# KiCad board PIR Movement sensor board with easyC_panel.kicad_pcb
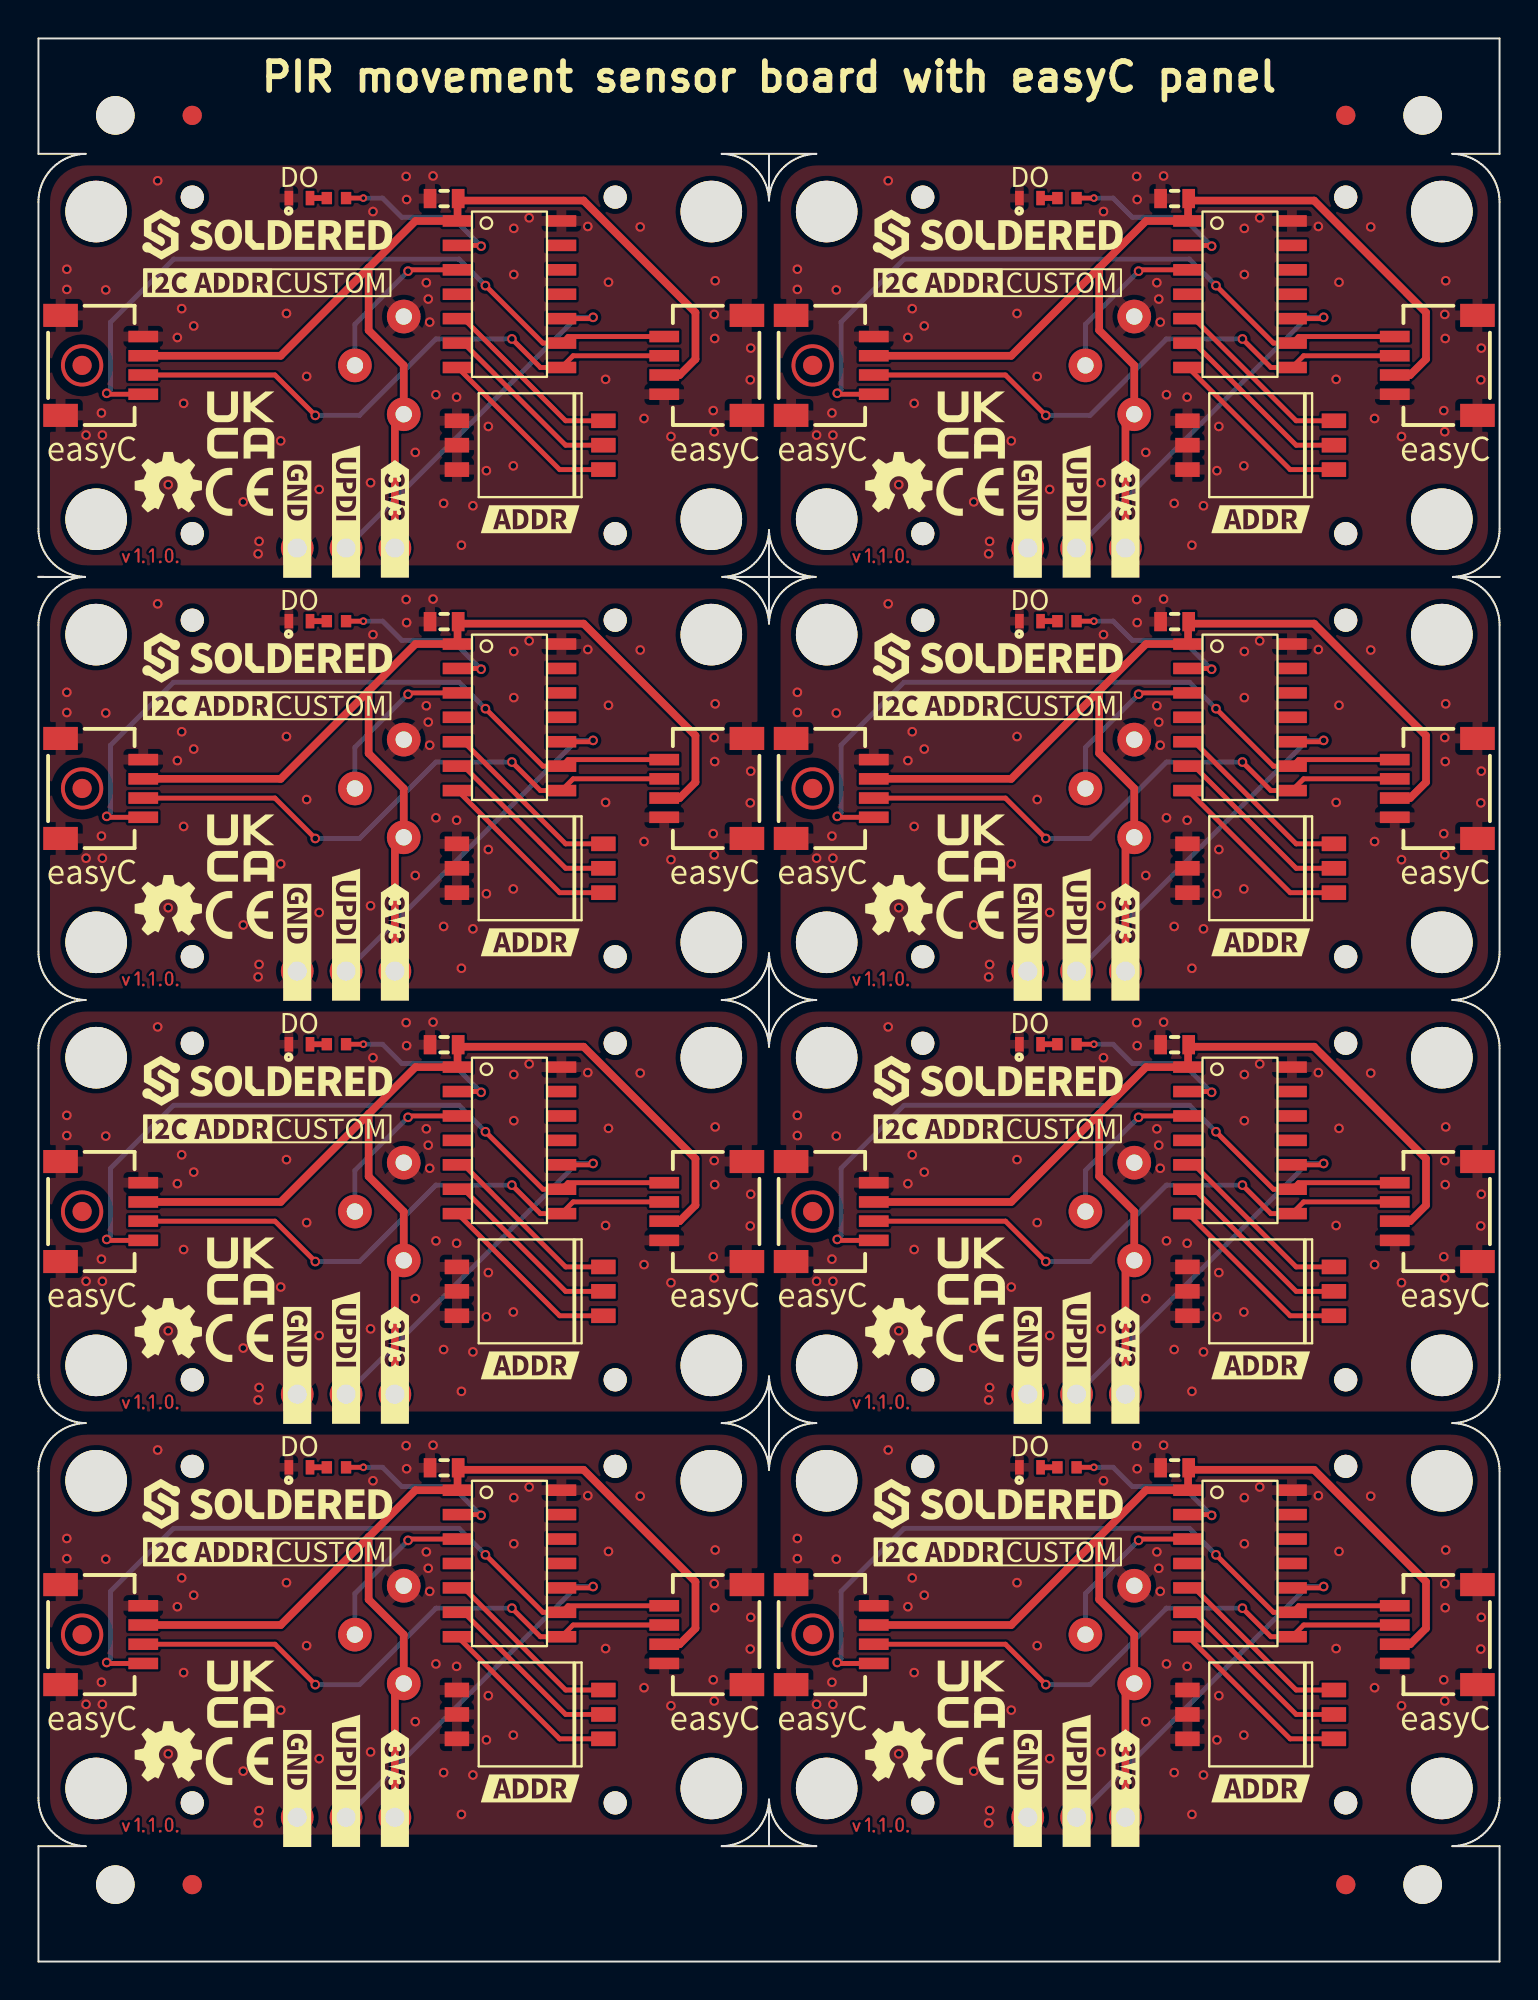
[diagram p0: board, top side]
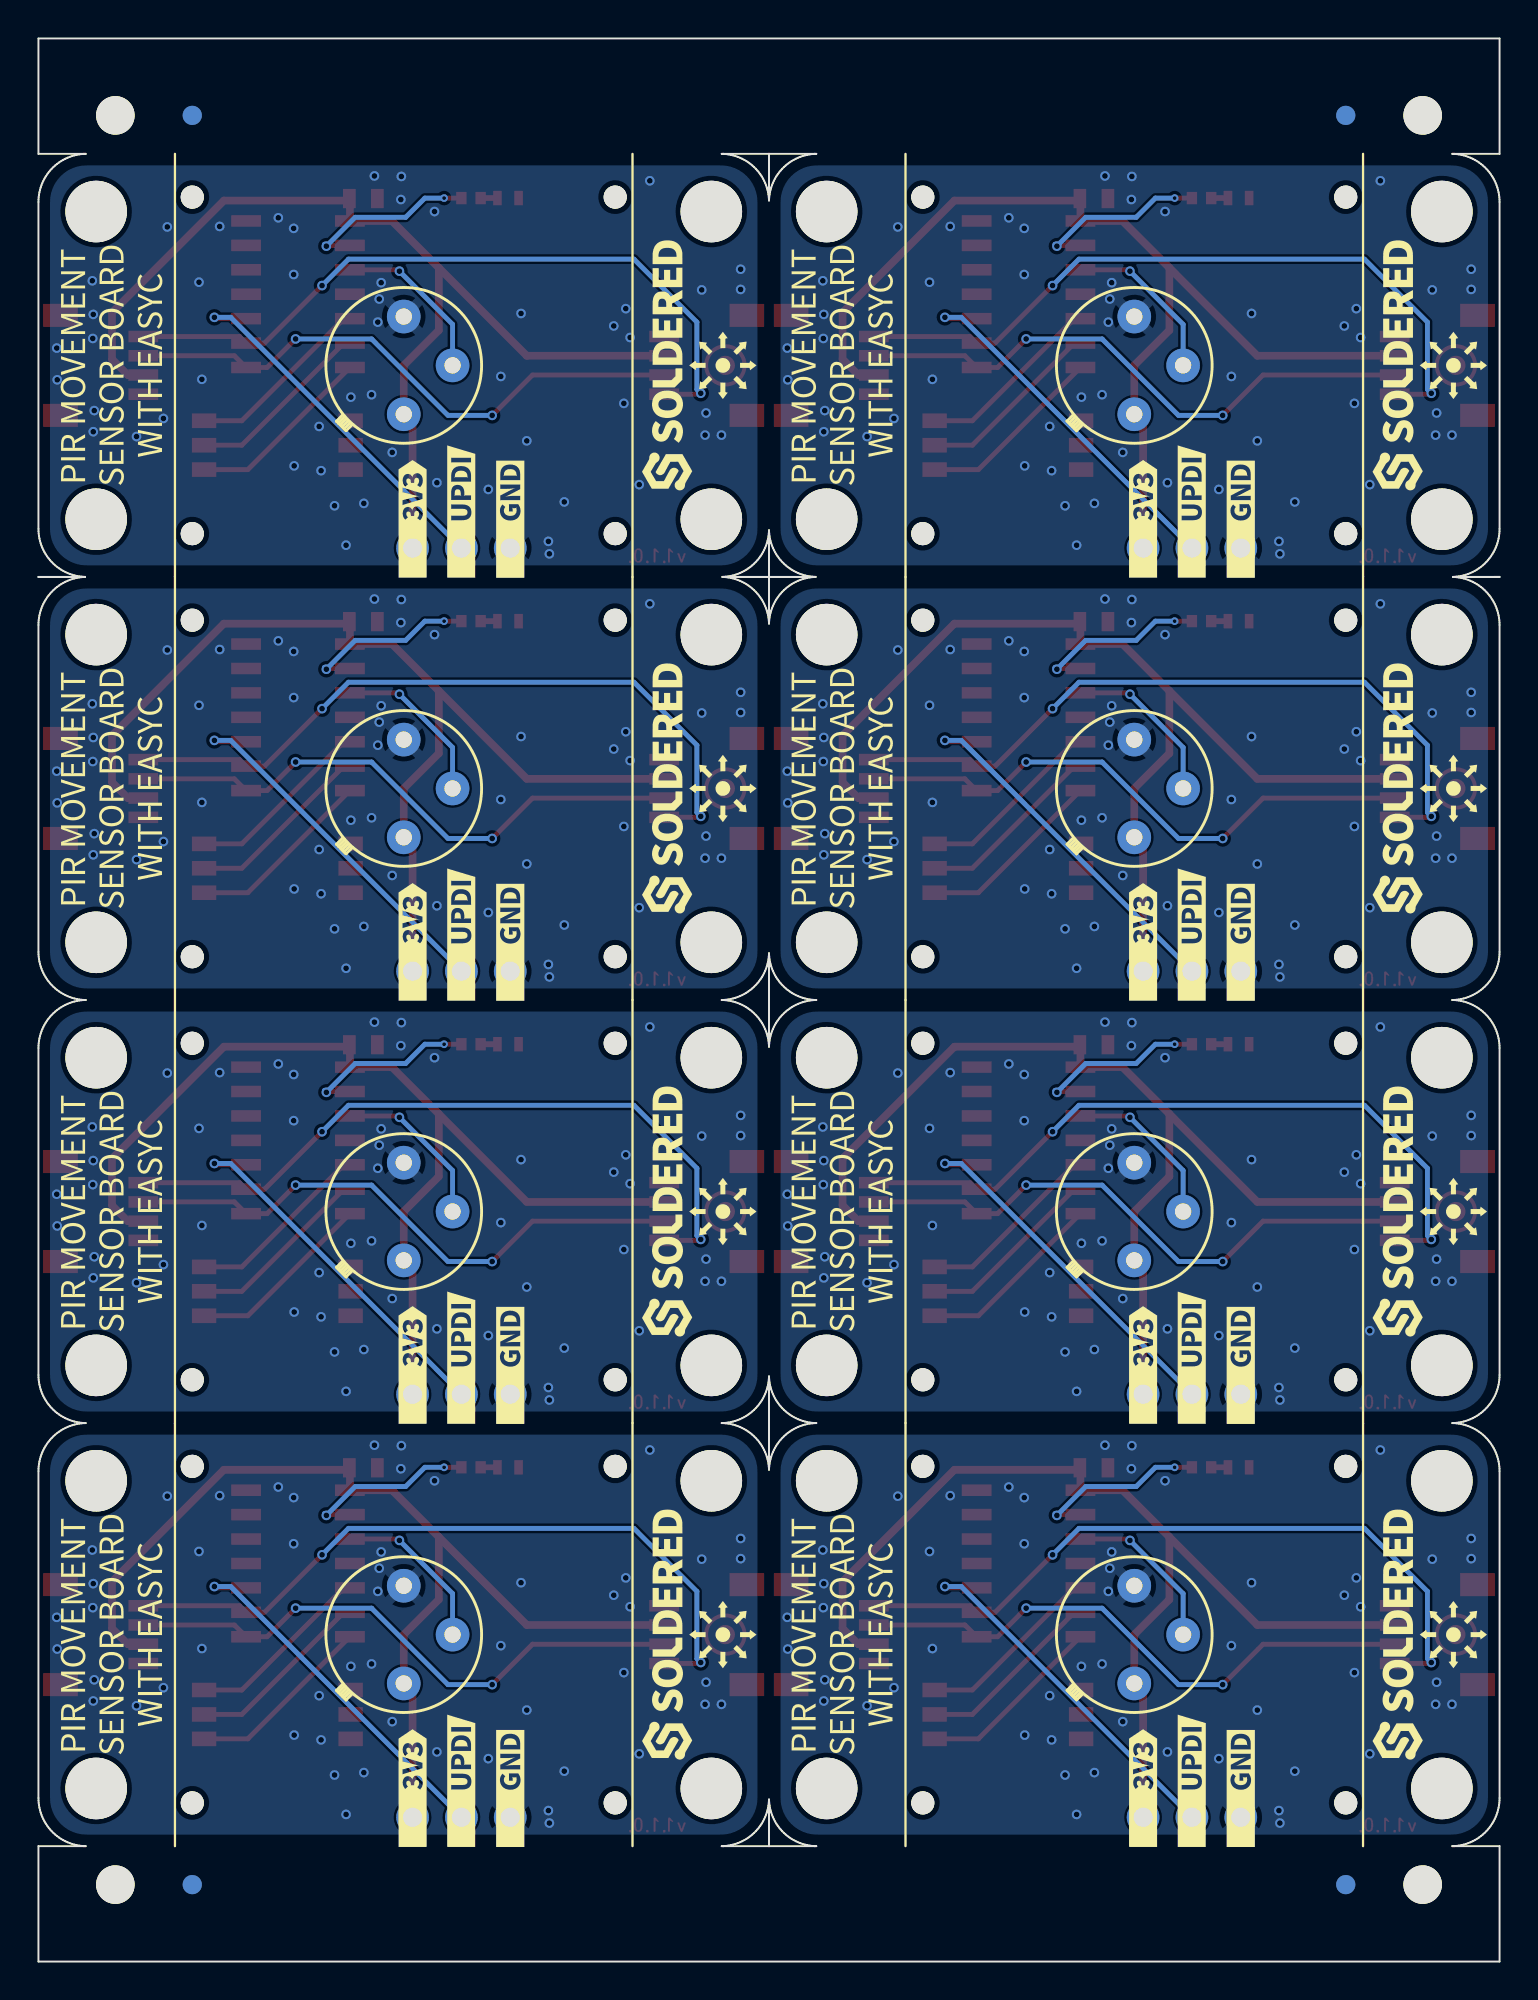
[diagram p1: board, bottom side, seen from below]

Outline 76 x 100 mm; copper layers: Top, Bottom. Coordinates in mm from the lower left corner of the outline.
Outline path: 0,100 0,94 2.46,94 2.37,94 2.25,93.99 2.12,93.97 2,93.95 1.87,93.92 1.75,93.89 1.63,93.85 1.51,93.8 1.4,93.75 1.29,93.69 1.18,93.62 1.07,93.55 0.97,93.48 0.87,93.4 0.78,93.31 0.69,93.22 0.6,93.13 0.52,93.03 0.45,92.93 0.38,92.82 0.31,92.71 0.26,92.6 0.2,92.49 0.16,92.37 0.11,92.25 0.08,92.13 0.05,92 0.03,91.88 0.01,91.75 0,91.63 0,91.5 0,74.5 0,74.37 0.01,74.25 0.03,74.12 0.05,74 0.08,73.87 0.11,73.75 0.16,73.63 0.2,73.51 0.26,73.4 0.31,73.29 0.38,73.18 0.45,73.07 0.52,72.97 0.6,72.87 0.69,72.78 0.78,72.69 0.87,72.6 0.97,72.52 1.07,72.45 1.18,72.38 1.29,72.31 1.4,72.25 1.51,72.2 1.63,72.15 1.75,72.11 1.87,72.08 2,72.05 2.12,72.03 2.25,72.01 2.37,72 2.42,72 0,72 0,72 2.42,72 2.37,72 2.25,71.99 2.12,71.97 2,71.95 1.87,71.92 1.75,71.89 1.63,71.85 1.51,71.8 1.4,71.75 1.29,71.69 1.18,71.62 1.07,71.55 0.97,71.48 0.87,71.4 0.78,71.31 0.69,71.22 0.6,71.13 0.52,71.03 0.45,70.93 0.38,70.82 0.31,70.71 0.26,70.6 0.2,70.49 0.16,70.37 0.11,70.25 0.08,70.13 0.05,70 0.03,69.88 0.01,69.75 0,69.63 0,69.5 0,52.5 0,52.37 0.01,52.25 0.03,52.12 0.05,52 0.08,51.87 0.11,51.75 0.16,51.63 0.2,51.51 0.26,51.4 0.31,51.29 0.38,51.18 0.45,51.07 0.52,50.97 0.6,50.87 0.69,50.78 0.78,50.69 0.87,50.6 0.97,50.52 1.07,50.45 1.18,50.38 1.29,50.31 1.4,50.25 1.51,50.2 1.63,50.15 1.75,50.11 1.87,50.08 2,50.05 2.12,50.03 2.25,50.01 2.37,50 2.46,50 2.37,50 2.25,49.99 2.12,49.97 2,49.95 1.87,49.92 1.75,49.89 1.63,49.85 1.51,49.8 1.4,49.75 1.29,49.69 1.18,49.62 1.07,49.55 0.97,49.48 0.87,49.4 0.78,49.31 0.69,49.22 0.6,49.13 0.52,49.03 0.45,48.93 0.38,48.82 0.31,48.71 0.26,48.6 0.2,48.49 0.16,48.37 0.11,48.25 0.08,48.13 0.05,48 0.03,47.88 0.01,47.75 0,47.63 0,47.5 0,30.5 0,30.37 0.01,30.25 0.03,30.12 0.05,30 0.08,29.87 0.11,29.75 0.16,29.63 0.2,29.51 0.26,29.4 0.31,29.29 0.38,29.18 0.45,29.07 0.52,28.97 0.6,28.87 0.69,28.78 0.78,28.69 0.87,28.6 0.97,28.52 1.07,28.45 1.18,28.38 1.29,28.31 1.4,28.25 1.51,28.2 1.63,28.15 1.75,28.11 1.87,28.08 2,28.05 2.12,28.03 2.25,28.01 2.37,28 2.46,28 2.37,28 2.25,27.99 2.12,27.97 2,27.95 1.87,27.92 1.75,27.89 1.63,27.85 1.51,27.8 1.4,27.75 1.29,27.69 1.18,27.62 1.07,27.55 0.97,27.48 0.87,27.4 0.78,27.31 0.69,27.22 0.6,27.13 0.52,27.03 0.45,26.93 0.38,26.82 0.31,26.71 0.26,26.6 0.2,26.49 0.16,26.37 0.11,26.25 0.08,26.13 0.05,26 0.03,25.88 0.01,25.75 0,25.63 0,25.5 0,8.5 0,8.37 0.01,8.25 0.03,8.12 0.05,8 0.08,7.87 0.11,7.75 0.16,7.63 0.2,7.51 0.26,7.4 0.31,7.29 0.38,7.18 0.45,7.07 0.52,6.97 0.6,6.87 0.69,6.78 0.78,6.69 0.87,6.6 0.97,6.52 1.07,6.45 1.18,6.38 1.29,6.31 1.4,6.25 1.51,6.2 1.63,6.15 1.75,6.11 1.87,6.08 2,6.05 2.12,6.03 2.25,6.01 2.37,6 2.46,6 0,6 0,0 76,0 76,6 73.54,6 73.63,6 73.75,6.01 73.88,6.03 74,6.05 74.13,6.08 74.25,6.11 74.37,6.15 74.49,6.2 74.6,6.25 74.71,6.31 74.82,6.38 74.93,6.45 75.03,6.52 75.13,6.6 75.22,6.69 75.31,6.78 75.4,6.87 75.48,6.97 75.55,7.07 75.62,7.18 75.69,7.29 75.75,7.4 75.8,7.51 75.85,7.63 75.89,7.75 75.92,7.87 75.95,8 75.97,8.12 75.99,8.25 76,8.37 76,8.5 76,25.5 76,25.63 75.99,25.75 75.97,25.88 75.95,26 75.92,26.13 75.89,26.25 75.85,26.37 75.8,26.49 75.75,26.6 75.69,26.71 75.62,26.82 75.55,26.93 75.48,27.03 75.4,27.13 75.31,27.22 75.22,27.31 75.13,27.4 75.03,27.48 74.93,27.55 74.82,27.62 74.71,27.69 74.6,27.75 74.49,27.8 74.37,27.85 74.25,27.89 74.13,27.92 74,27.95 73.88,27.97 73.75,27.99 73.63,28 73.54,28 73.63,28 73.75,28.01 73.88,28.03 74,28.05 74.13,28.08 74.25,28.11 74.37,28.15 74.49,28.2 74.6,28.25 74.71,28.31 74.82,28.38 74.93,28.45 75.03,28.52 75.13,28.6 75.22,28.69 75.31,28.78 75.4,28.87 75.48,28.97 75.55,29.07 75.62,29.18 75.69,29.29 75.75,29.4 75.8,29.51 75.85,29.63 75.89,29.75 75.92,29.87 75.95,30 75.97,30.12 75.99,30.25 76,30.37 76,30.5 76,47.5 76,47.63 75.99,47.75 75.97,47.88 75.95,48 75.92,48.13 75.89,48.25 75.85,48.37 75.8,48.49 75.75,48.6 75.69,48.71 75.62,48.82 75.55,48.93 75.48,49.03 75.4,49.13 75.31,49.22 75.22,49.31 75.13,49.4 75.03,49.48 74.93,49.55 74.82,49.62 74.71,49.69 74.6,49.75 74.49,49.8 74.37,49.85 74.25,49.89 74.13,49.92 74,49.95 73.88,49.97 73.75,49.99 73.63,50 73.54,50 73.63,50 73.75,50.01 73.88,50.03 74,50.05 74.13,50.08 74.25,50.11 74.37,50.15 74.49,50.2 74.6,50.25 74.71,50.31 74.82,50.38 74.93,50.45 75.03,50.52 75.13,50.6 75.22,50.69 75.31,50.78 75.4,50.87 75.48,50.97 75.55,51.07 75.62,51.18 75.69,51.29 75.75,51.4 75.8,51.51 75.85,51.63 75.89,51.75 75.92,51.87 75.95,52 75.97,52.12 75.99,52.25 76,52.37 76,52.5 76,69.5 76,69.63 75.99,69.75 75.97,69.88 75.95,70 75.92,70.13 75.89,70.25 75.85,70.37 75.8,70.49 75.75,70.6 75.69,70.71 75.62,70.82 75.55,70.93 75.48,71.03 75.4,71.13 75.31,71.22 75.22,71.31 75.13,71.4 75.03,71.48 74.93,71.55 74.82,71.62 74.71,71.69 74.6,71.75 74.49,71.8 74.37,71.85 74.25,71.89 74.13,71.92 74,71.95 73.88,71.97 73.75,71.99 73.63,72 73.58,72 76,72 73.58,72 73.63,72 73.75,72.01 73.88,72.03 74,72.05 74.13,72.08 74.25,72.11 74.37,72.15 74.49,72.2 74.6,72.25 74.71,72.31 74.82,72.38 74.93,72.45 75.03,72.52 75.13,72.6 75.22,72.69 75.31,72.78 75.4,72.87 75.48,72.97 75.55,73.07 75.62,73.18 75.69,73.29 75.75,73.4 75.8,73.51 75.85,73.63 75.89,73.75 75.92,73.87 75.95,74 75.97,74.12 75.99,74.25 76,74.37 76,74.5 76,91.5 76,91.63 75.99,91.75 75.97,91.88 75.95,92 75.92,92.13 75.89,92.25 75.85,92.37 75.8,92.49 75.75,92.6 75.69,92.71 75.62,92.82 75.55,92.93 75.48,93.03 75.4,93.13 75.31,93.22 75.22,93.31 75.13,93.4 75.03,93.48 74.93,93.55 74.82,93.62 74.71,93.69 74.6,93.75 74.49,93.8 74.37,93.85 74.25,93.89 74.13,93.92 74,93.95 73.88,93.97 73.75,93.99 73.63,94 73.54,94 76,94 76,100 0,100 ; 35.54,94 40.46,94 40.37,94 40.25,93.99 40.12,93.97 40,93.95 39.87,93.92 39.75,93.89 39.63,93.85 39.51,93.8 39.4,93.75 39.29,93.69 39.18,93.62 39.07,93.55 38.97,93.48 38.87,93.4 38.78,93.31 38.69,93.22 38.6,93.13 38.52,93.03 38.45,92.93 38.38,92.82 38.31,92.71 38.26,92.6 38.2,92.49 38.16,92.37 38.11,92.25 38.08,92.13 38.05,92 38.03,91.88 38.01,91.75 38,91.63 38,91.58 38,94 38,91.58 38,91.63 37.99,91.75 37.97,91.88 37.95,92 37.92,92.13 37.89,92.25 37.85,92.37 37.8,92.49 37.75,92.6 37.69,92.71 37.62,92.82 37.55,92.93 37.48,93.03 37.4,93.13 37.31,93.22 37.22,93.31 37.13,93.4 37.03,93.48 36.93,93.55 36.82,93.62 36.71,93.69 36.6,93.75 36.49,93.8 36.37,93.85 36.25,93.89 36.13,93.92 36,93.95 35.88,93.97 35.75,93.99 35.63,94 35.54,94 ; 35.54,6 35.63,6 35.75,6.01 35.88,6.03 36,6.05 36.13,6.08 36.25,6.11 36.37,6.15 36.49,6.2 36.6,6.25 36.71,6.31 36.82,6.38 36.93,6.45 37.03,6.52 37.13,6.6 37.22,6.69 37.31,6.78 37.4,6.87 37.48,6.97 37.55,7.07 37.62,7.18 37.69,7.29 37.75,7.4 37.8,7.51 37.85,7.63 37.89,7.75 37.92,7.87 37.95,8 37.97,8.12 37.99,8.25 38,8.37 38,8.42 38,6 38,8.42 38,8.37 38.01,8.25 38.03,8.12 38.05,8 38.08,7.87 38.11,7.75 38.16,7.63 38.2,7.51 38.26,7.4 38.31,7.29 38.38,7.18 38.45,7.07 38.52,6.97 38.6,6.87 38.69,6.78 38.78,6.69 38.87,6.6 38.97,6.52 39.07,6.45 39.18,6.38 39.29,6.31 39.4,6.25 39.51,6.2 39.63,6.15 39.75,6.11 39.87,6.08 40,6.05 40.12,6.03 40.25,6.01 40.37,6 40.46,6 35.54,6 ; 35.54,50 35.63,50 35.75,50.01 35.88,50.03 36,50.05 36.13,50.08 36.25,50.11 36.37,50.15 36.49,50.2 36.6,50.25 36.71,50.31 36.82,50.38 36.93,50.45 37.03,50.52 37.13,50.6 37.22,50.69 37.31,50.78 37.4,50.87 37.48,50.97 37.55,51.07 37.62,51.18 37.69,51.29 37.75,51.4 37.8,51.51 37.85,51.63 37.89,51.75 37.92,51.87 37.95,52 37.97,52.12 37.99,52.25 38,52.37 38,52.42 38,50 38,47.58 38,47.63 37.99,47.75 37.97,47.88 37.95,48 37.92,48.13 37.89,48.25 37.85,48.37 37.8,48.49 37.75,48.6 37.69,48.71 37.62,48.82 37.55,48.93 37.48,49.03 37.4,49.13 37.31,49.22 37.22,49.31 37.13,49.4 37.03,49.48 36.93,49.55 36.82,49.62 36.71,49.69 36.6,49.75 36.49,49.8 36.37,49.85 36.25,49.89 36.13,49.92 36,49.95 35.88,49.97 35.75,49.99 35.63,50 35.54,50 ; 35.54,28 35.63,28 35.75,28.01 35.88,28.03 36,28.05 36.13,28.08 36.25,28.11 36.37,28.15 36.49,28.2 36.6,28.25 36.71,28.31 36.82,28.38 36.93,28.45 37.03,28.52 37.13,28.6 37.22,28.69 37.31,28.78 37.4,28.87 37.48,28.97 37.55,29.07 37.62,29.18 37.69,29.29 37.75,29.4 37.8,29.51 37.85,29.63 37.89,29.75 37.92,29.87 37.95,30 37.97,30.12 37.99,30.25 38,30.37 38,30.42 38,28 38,25.58 38,25.63 37.99,25.75 37.97,25.88 37.95,26 37.92,26.13 37.89,26.25 37.85,26.37 37.8,26.49 37.75,26.6 37.69,26.71 37.62,26.82 37.55,26.93 37.48,27.03 37.4,27.13 37.31,27.22 37.22,27.31 37.13,27.4 37.03,27.48 36.93,27.55 36.82,27.62 36.71,27.69 36.6,27.75 36.49,27.8 36.37,27.85 36.25,27.89 36.13,27.92 36,27.95 35.88,27.97 35.75,27.99 35.63,28 35.54,28 ; 35.58,72 35.63,72 35.75,72.01 35.88,72.03 36,72.05 36.13,72.08 36.25,72.11 36.37,72.15 36.49,72.2 36.6,72.25 36.71,72.31 36.82,72.38 36.93,72.45 37.03,72.52 37.13,72.6 37.22,72.69 37.31,72.78 37.4,72.87 37.48,72.97 37.55,73.07 37.62,73.18 37.69,73.29 37.75,73.4 37.8,73.51 37.85,73.63 37.89,73.75 37.92,73.87 37.95,74 37.97,74.12 37.99,74.25 38,74.37 38,74.42 38,72 35.58,72 ; 35.58,72 38,72 38,69.58 38,69.63 37.99,69.75 37.97,69.88 37.95,70 37.92,70.13 37.89,70.25 37.85,70.37 37.8,70.49 37.75,70.6 37.69,70.71 37.62,70.82 37.55,70.93 37.48,71.03 37.4,71.13 37.31,71.22 37.22,71.31 37.13,71.4 37.03,71.48 36.93,71.55 36.82,71.62 36.71,71.69 36.6,71.75 36.49,71.8 36.37,71.85 36.25,71.89 36.13,71.92 36,71.95 35.88,71.97 35.75,71.99 35.63,72 35.58,72 ; 38,74.42 38,74.37 38.01,74.25 38.03,74.12 38.05,74 38.08,73.87 38.11,73.75 38.16,73.63 38.2,73.51 38.26,73.4 38.31,73.29 38.38,73.18 38.45,73.07 38.52,72.97 38.6,72.87 38.69,72.78 38.78,72.69 38.87,72.6 38.97,72.52 39.07,72.45 39.18,72.38 39.29,72.31 39.4,72.25 39.51,72.2 39.63,72.15 39.75,72.11 39.87,72.08 40,72.05 40.12,72.03 40.25,72.01 40.37,72 40.42,72 38,72 38,74.42 ; 38,69.58 38,72 40.42,72 40.37,72 40.25,71.99 40.12,71.97 40,71.95 39.87,71.92 39.75,71.89 39.63,71.85 39.51,71.8 39.4,71.75 39.29,71.69 39.18,71.62 39.07,71.55 38.97,71.48 38.87,71.4 38.78,71.31 38.69,71.22 38.6,71.13 38.52,71.03 38.45,70.93 38.38,70.82 38.31,70.71 38.26,70.6 38.2,70.49 38.16,70.37 38.11,70.25 38.08,70.13 38.05,70 38.03,69.88 38.01,69.75 38,69.63 38,69.58 ; 38,52.42 38,52.37 38.01,52.25 38.03,52.12 38.05,52 38.08,51.87 38.11,51.75 38.16,51.63 38.2,51.51 38.26,51.4 38.31,51.29 38.38,51.18 38.45,51.07 38.52,50.97 38.6,50.87 38.69,50.78 38.78,50.69 38.87,50.6 38.97,50.52 39.07,50.45 39.18,50.38 39.29,50.31 39.4,50.25 39.51,50.2 39.63,50.15 39.75,50.11 39.87,50.08 40,50.05 40.12,50.03 40.25,50.01 40.37,50 40.46,50 40.37,50 40.25,49.99 40.12,49.97 40,49.95 39.87,49.92 39.75,49.89 39.63,49.85 39.51,49.8 39.4,49.75 39.29,49.69 39.18,49.62 39.07,49.55 38.97,49.48 38.87,49.4 38.78,49.31 38.69,49.22 38.6,49.13 38.52,49.03 38.45,48.93 38.38,48.82 38.31,48.71 38.26,48.6 38.2,48.49 38.16,48.37 38.11,48.25 38.08,48.13 38.05,48 38.03,47.88 38.01,47.75 38,47.63 38,47.58 38,50 38,52.42 ; 38,30.42 38,30.37 38.01,30.25 38.03,30.12 38.05,30 38.08,29.87 38.11,29.75 38.16,29.63 38.2,29.51 38.26,29.4 38.31,29.29 38.38,29.18 38.45,29.07 38.52,28.97 38.6,28.87 38.69,28.78 38.78,28.69 38.87,28.6 38.97,28.52 39.07,28.45 39.18,28.38 39.29,28.31 39.4,28.25 39.51,28.2 39.63,28.15 39.75,28.11 39.87,28.08 40,28.05 40.12,28.03 40.25,28.01 40.37,28 40.46,28 40.37,28 40.25,27.99 40.12,27.97 40,27.95 39.87,27.92 39.75,27.89 39.63,27.85 39.51,27.8 39.4,27.75 39.29,27.69 39.18,27.62 39.07,27.55 38.97,27.48 38.87,27.4 38.78,27.31 38.69,27.22 38.6,27.13 38.52,27.03 38.45,26.93 38.38,26.82 38.31,26.71 38.26,26.6 38.2,26.49 38.16,26.37 38.11,26.25 38.08,26.13 38.05,26 38.03,25.88 38.01,25.75 38,25.63 38,25.58 38,28 38,30.42
Stack: Top 0.035mm / dielectric 1.51mm FR4 er 4.5 / Bottom 0.035mm

## Placement (name value [footprint] x y rotation side)
C3  100n  [0603C]  59.1 69.68 180 top
C3#2  100n  [0603C]  59.1 47.68 180 top
C3#3  100n  [0603C]  21.1 47.68 180 top
C3#4  100n  [0603C]  21.1 69.68 180 top
C3#5  100n  [0603C]  59.1 25.67 180 top
C3#6  100n  [0603C]  21.1 25.67 180 top
C3#7  100n  [0603C]  21.1 91.68 180 top
C3#8  100n  [0603C]  59.1 91.68 180 top
D1  Purple  [0402LED]  51.58 47.7 0 top
D1#2  Purple  [0402LED]  51.58 25.7 0 top
D1#3  Purple  [0402LED]  13.58 25.7 0 top
D1#4  Purple  [0402LED]  13.58 91.7 0 top
D1#5  Purple  [0402LED]  13.58 69.7 0 top
D1#6  Purple  [0402LED]  51.58 69.7 0 top
D1#7  Purple  [0402LED]  13.58 47.7 0 top
D1#8  Purple  [0402LED]  51.58 91.7 0 top
FD1  FIDUCIAL  [FIDUCIAL_23]  2.27 83 0 top
FD1#2  FIDUCIAL  [FIDUCIAL_23]  2.27 39 0 top
FD1#3  FIDUCIAL  [FIDUCIAL_23]  40.27 61 0 top
FD1#4  FIDUCIAL  [FIDUCIAL_23]  40.27 39 0 top
FD1#5  FIDUCIAL  [FIDUCIAL_23]  2.27 61 0 top
FD1#6  FIDUCIAL  [FIDUCIAL_23]  2.27 17 0 top
FD1#7  FIDUCIAL  [FIDUCIAL_23]  40.27 83 0 top
FD1#8  FIDUCIAL  [FIDUCIAL_23]  40.27 17 0 top
G***  LOGO  [Logo-Front-easyC-NewFont]  2.8 78.5 0 top
G***#2  LOGO  [Logo-Front-easyC-NewFont]  73.2 78.5 0 top
G***#3  LOGO  [Logo-Front-easyC-NewFont]  35.2 12.5 0 top
G***#4  LOGO  [Logo-Front-easyC-NewFont]  2.8 34.5 0 top
G***#5  LOGO  [Logo-Front-easyC-NewFont]  73.2 12.5 0 top
G***#6  LOGO  [Logo-Front-easyC-NewFont]  40.8 34.5 0 top
G***#7  LOGO  [Logo-Front-easyC-NewFont]  73.2 56.5 0 top
G***#8  LOGO  [Logo-Front-easyC-NewFont]  40.8 12.5 0 top
G***#9  LOGO  [Logo-Front-easyC-NewFont]  73.2 34.5 0 top
G***#10  LOGO  [Logo-Front-easyC-NewFont]  35.2 34.5 0 top
G***#11  LOGO  [Logo-Front-easyC-NewFont]  2.8 56.5 0 top
G***#12  LOGO  [Logo-Front-easyC-NewFont]  35.2 56.5 0 top
G***#13  LOGO  [Logo-Front-easyC-NewFont]  35.2 78.5 0 top
G***#14  LOGO  [Logo-Front-easyC-NewFont]  40.8 56.5 0 top
G***#15  LOGO  [Logo-Front-easyC-NewFont]  2.8 12.5 0 top
G***#16  LOGO  [Logo-Front-easyC-NewFont]  40.8 78.5 0 top
G***#17  LOGO  [Symbol-Front-Movement]  40.4 61 180 bottom
G***#18  LOGO  [Symbol-Front-Movement]  40.4 83 180 bottom
G***#19  LOGO  [Symbol-Front-Movement]  2.4 17 180 bottom
G***#20  LOGO  [Logo-Back-OSH-3.5mm]  6.75 54.93 180 bottom
G***#21  LOGO  [Symbol-Front-Movement]  40.4 17 180 bottom
G***#22  LOGO  [Logo-Back-OSH-3.5mm]  6.75 32.93 180 bottom
G***#23  LOGO  [Symbol-Front-Movement]  40.4 39 180 bottom
G***#24  LOGO  [Logo-Back-OSH-3.5mm]  44.75 32.93 180 bottom
G***#25  LOGO  [Symbol-Front-Movement]  2.4 39 180 bottom
G***#26  LOGO  [Logo-Back-OSH-3.5mm]  44.75 76.93 180 bottom
G***#27  LOGO  [Logo-Back-OSH-3.5mm]  6.75 76.93 180 bottom
G***#28  LOGO  [Symbol-Front-Movement]  2.4 61 180 bottom
G***#29  LOGO  [Logo-Back-OSH-3.5mm]  44.75 54.93 180 bottom
G***#30  LOGO  [Logo-Back-OSH-3.5mm]  6.75 10.92 180 bottom
G***#31  LOGO  [Logo-Back-OSH-3.5mm]  44.75 10.92 180 bottom
G***#32  LOGO  [Symbol-Front-Movement]  2.4 83 180 bottom
H1  -  [HOLE_3.2mm]  41 31 0 top
H1#2  -  [HOLE_3.2mm]  3 53 0 top
H1#3  -  [HOLE_3.2mm]  41 9 0 top
H1#4  -  [HOLE_3.2mm]  41 53 0 top
H1#5  -  [HOLE_3.2mm]  3 9 0 top
H1#6  -  [HOLE_3.2mm]  41 75 0 top
H1#7  -  [HOLE_3.2mm]  3 31 0 top
H1#8  -  [HOLE_3.2mm]  3 75 0 top
H2  -  [HOLE_3.2mm]  35 75 0 top
H2#2  -  [HOLE_3.2mm]  73 53 0 top
H2#3  -  [HOLE_3.2mm]  73 9 0 top
H2#4  -  [HOLE_3.2mm]  73 75 0 top
H2#5  -  [HOLE_3.2mm]  35 31 0 top
H2#6  -  [HOLE_3.2mm]  35 9 0 top
H2#7  -  [HOLE_3.2mm]  73 31 0 top
H2#8  -  [HOLE_3.2mm]  35 53 0 top
H3  -  [HOLE_3.2mm]  35 47 0 top
H3#2  -  [HOLE_3.2mm]  73 25 0 top
H3#3  -  [HOLE_3.2mm]  73 69 0 top
H3#4  -  [HOLE_3.2mm]  73 91 0 top
H3#5  -  [HOLE_3.2mm]  73 47 0 top
H3#6  -  [HOLE_3.2mm]  35 25 0 top
H3#7  -  [HOLE_3.2mm]  35 69 0 top
H3#8  -  [HOLE_3.2mm]  35 91 0 top
H4  -  [HOLE_3.2mm]  41 69 0 top
H4#2  -  [HOLE_3.2mm]  3 91 0 top
H4#3  -  [HOLE_3.2mm]  3 25 0 top
H4#4  -  [HOLE_3.2mm]  3 47 0 top
H4#5  -  [HOLE_3.2mm]  41 25 0 top
H4#6  -  [HOLE_3.2mm]  41 47 0 top
H4#7  -  [HOLE_3.2mm]  3 69 0 top
H4#8  -  [HOLE_3.2mm]  41 91 0 top
K1  easyC-SMD  [easyC-connector]  34.7 17 270 top
K1#2  easyC-SMD  [easyC-connector]  34.7 39 270 top
K1#3  easyC-SMD  [easyC-connector]  34.7 83 270 top
K1#4  easyC-SMD  [easyC-connector]  34.7 61 270 top
K1#5  easyC-SMD  [easyC-connector]  72.7 83 270 top
K1#6  easyC-SMD  [easyC-connector]  72.7 61 270 top
K1#7  easyC-SMD  [easyC-connector]  72.7 17 270 top
K1#8  easyC-SMD  [easyC-connector]  72.7 39 270 top
K2  -  [HEADER-UPDI]  54 73.5 180 top
K2#2  -  [HEADER-UPDI]  16 73.5 180 top
K2#3  -  [HEADER-UPDI]  16 51.5 180 top
K2#4  -  [HEADER-UPDI]  16 29.5 180 top
K2#5  -  [HEADER-UPDI]  54 51.5 180 top
K2#6  -  [HEADER-UPDI]  54 29.5 180 top
K2#7  -  [HEADER-UPDI]  16 7.5 180 top
K2#8  -  [HEADER-UPDI]  54 7.5 180 top
K3  easyC-SMD  [easyC-connector]  41.3 17 90 top
K3#2  easyC-SMD  [easyC-connector]  3.3 61 90 top
K3#3  easyC-SMD  [easyC-connector]  3.3 83 90 top
K3#4  easyC-SMD  [easyC-connector]  41.3 61 90 top
K3#5  easyC-SMD  [easyC-connector]  41.3 83 90 top
K3#6  easyC-SMD  [easyC-connector]  3.3 17 90 top
K3#7  easyC-SMD  [easyC-connector]  3.3 39 90 top
K3#8  easyC-SMD  [easyC-connector]  41.3 39 90 top
K4  -  [DSHP03TS-S]  63.58 34.85 180 top
K4#2  -  [DSHP03TS-S]  63.58 56.85 180 top
K4#3  -  [DSHP03TS-S]  25.58 12.85 180 top
K4#4  -  [DSHP03TS-S]  25.58 56.85 180 top
K4#5  -  [DSHP03TS-S]  63.58 78.85 180 top
K4#6  -  [DSHP03TS-S]  25.58 34.85 180 top
K4#7  -  [DSHP03TS-S]  63.58 12.85 180 top
K4#8  -  [DSHP03TS-S]  25.58 78.85 180 top
K5  PIR_lens  [PIR_senzor_kapica]  19 17 90 bottom
K5#2  PIR_lens  [PIR_senzor_kapica]  19 61 90 bottom
K5#3  PIR_lens  [PIR_senzor_kapica]  57 83 90 bottom
K5#4  PIR_lens  [PIR_senzor_kapica]  57 17 90 bottom
K5#5  PIR_lens  [PIR_senzor_kapica]  19 39 90 bottom
K5#6  PIR_lens  [PIR_senzor_kapica]  57 39 90 bottom
K5#7  PIR_lens  [PIR_senzor_kapica]  19 83 90 bottom
K5#8  PIR_lens  [PIR_senzor_kapica]  57 61 90 bottom
kibuzzard-641181E6  G***  [kibuzzard-641181E6]  13.46 31 90 bottom
kibuzzard-641181E6#2  G***  [kibuzzard-641181E6]  13.46 9 90 bottom
kibuzzard-641181E6#3  G***  [kibuzzard-641181E6]  51.46 9 90 bottom
kibuzzard-641181E6#4  G***  [kibuzzard-641181E6]  13.46 75 90 bottom
kibuzzard-641181E6#5  G***  [kibuzzard-641181E6]  51.46 75 90 bottom
kibuzzard-641181E6#6  G***  [kibuzzard-641181E6]  13.46 53 90 bottom
kibuzzard-641181E6#7  G***  [kibuzzard-641181E6]  51.46 53 90 bottom
kibuzzard-641181E6#8  G***  [kibuzzard-641181E6]  51.46 31 90 bottom
kibuzzard-641185A3  G***  [kibuzzard-641185A3]  51.46 31 270 top
kibuzzard-641185A3#2  G***  [kibuzzard-641185A3]  13.46 53 270 top
kibuzzard-641185A3#3  G***  [kibuzzard-641185A3]  51.46 53 270 top
kibuzzard-641185A3#4  G***  [kibuzzard-641185A3]  51.46 9 270 top
kibuzzard-641185A3#5  G***  [kibuzzard-641185A3]  51.46 75 270 top
kibuzzard-641185A3#6  G***  [kibuzzard-641185A3]  13.46 75 270 top
kibuzzard-641185A3#7  G***  [kibuzzard-641185A3]  13.46 9 270 top
kibuzzard-641185A3#8  G***  [kibuzzard-641185A3]  13.46 31 270 top
kibuzzard-6411825C  G***  [kibuzzard-6411825C]  72.2 61 90 bottom
kibuzzard-6411825C#2  G***  [kibuzzard-6411825C]  34.2 17 90 bottom
kibuzzard-6411825C#3  G***  [kibuzzard-6411825C]  72.2 83 90 bottom
kibuzzard-6411825C#4  G***  [kibuzzard-6411825C]  34.2 61 90 bottom
kibuzzard-6411825C#5  G***  [kibuzzard-6411825C]  34.2 83 90 bottom
kibuzzard-6411825C#6  G***  [kibuzzard-6411825C]  72.2 39 90 bottom
kibuzzard-6411825C#7  G***  [kibuzzard-6411825C]  72.2 17 90 bottom
kibuzzard-6411825C#8  G***  [kibuzzard-6411825C]  34.2 39 90 bottom
kibuzzard-64118155  G***  [kibuzzard-64118155]  63.58 9 0 top
kibuzzard-64118155#2  G***  [kibuzzard-64118155]  25.58 75 0 top
kibuzzard-64118155#3  G***  [kibuzzard-64118155]  63.58 31 0 top
kibuzzard-64118155#4  G***  [kibuzzard-64118155]  63.58 75 0 top
kibuzzard-64118155#5  G***  [kibuzzard-64118155]  25.58 53 0 top
kibuzzard-64118155#6  G***  [kibuzzard-64118155]  25.58 9 0 top
kibuzzard-64118155#7  G***  [kibuzzard-64118155]  63.58 53 0 top
kibuzzard-64118155#8  G***  [kibuzzard-64118155]  25.58 31 0 top
kibuzzard-64118187  G***  [kibuzzard-64118187]  51.6 48.8 0 top
kibuzzard-64118187#2  G***  [kibuzzard-64118187]  13.6 26.8 0 top
kibuzzard-64118187#3  G***  [kibuzzard-64118187]  13.6 48.8 0 top
kibuzzard-64118187#4  G***  [kibuzzard-64118187]  13.6 92.8 0 top
kibuzzard-64118187#5  G***  [kibuzzard-64118187]  13.6 70.8 0 top
kibuzzard-64118187#6  G***  [kibuzzard-64118187]  51.6 26.8 0 top
kibuzzard-64118187#7  G***  [kibuzzard-64118187]  51.6 92.8 0 top
kibuzzard-64118187#8  G***  [kibuzzard-64118187]  51.6 70.8 0 top
kibuzzard-64118214  G***  [kibuzzard-64118214]  16.01 75.4 90 bottom
kibuzzard-64118214#2  G***  [kibuzzard-64118214]  16.01 31.4 90 bottom
kibuzzard-64118214#3  G***  [kibuzzard-64118214]  54.01 75.4 90 bottom
kibuzzard-64118214#4  G***  [kibuzzard-64118214]  54.01 9.4 90 bottom
kibuzzard-64118214#5  G***  [kibuzzard-64118214]  54.01 31.4 90 bottom
kibuzzard-64118214#6  G***  [kibuzzard-64118214]  16.01 53.4 90 bottom
kibuzzard-64118214#7  G***  [kibuzzard-64118214]  54.01 53.4 90 bottom
kibuzzard-64118214#8  G***  [kibuzzard-64118214]  16.01 9.4 90 bottom
kibuzzard-64118226  G***  [kibuzzard-64118226]  18.54 75.02 90 bottom
kibuzzard-64118226#2  G***  [kibuzzard-64118226]  56.54 75.02 90 bottom
kibuzzard-64118226#3  G***  [kibuzzard-64118226]  56.54 31.02 90 bottom
kibuzzard-64118226#4  G***  [kibuzzard-64118226]  56.54 9.02 90 bottom
kibuzzard-64118226#5  G***  [kibuzzard-64118226]  18.54 53.02 90 bottom
kibuzzard-64118226#6  G***  [kibuzzard-64118226]  18.54 31.02 90 bottom
kibuzzard-64118226#7  G***  [kibuzzard-64118226]  56.54 53.02 90 bottom
kibuzzard-64118226#8  G***  [kibuzzard-64118226]  18.54 9.02 90 bottom
kibuzzard-64118254  G***  [kibuzzard-64118254]  74.2 39 90 bottom
kibuzzard-64118254#2  G***  [kibuzzard-64118254]  36.2 83 90 bottom
kibuzzard-64118254#3  G***  [kibuzzard-64118254]  36.2 17 90 bottom
kibuzzard-64118254#4  G***  [kibuzzard-64118254]  74.2 17 90 bottom
kibuzzard-64118254#5  G***  [kibuzzard-64118254]  74.2 83 90 bottom
kibuzzard-64118254#6  G***  [kibuzzard-64118254]  36.2 61 90 bottom
kibuzzard-64118254#7  G***  [kibuzzard-64118254]  74.2 61 90 bottom
kibuzzard-64118254#8  G***  [kibuzzard-64118254]  36.2 39 90 bottom
kibuzzard-64118262  G***  [kibuzzard-64118262]  70.2 17 90 bottom
kibuzzard-64118262#2  G***  [kibuzzard-64118262]  32.2 61 90 bottom
kibuzzard-64118262#3  G***  [kibuzzard-64118262]  70.2 39 90 bottom
kibuzzard-64118262#4  G***  [kibuzzard-64118262]  70.2 83 90 bottom
kibuzzard-64118262#5  G***  [kibuzzard-64118262]  32.2 83 90 bottom
kibuzzard-64118262#6  G***  [kibuzzard-64118262]  70.2 61 90 bottom
kibuzzard-64118262#7  G***  [kibuzzard-64118262]  32.2 39 90 bottom
kibuzzard-64118262#8  G***  [kibuzzard-64118262]  32.2 17 90 bottom
kibuzzard-64118455  G***  [kibuzzard-64118455]  56.54 75.02 270 top
kibuzzard-64118455#2  G***  [kibuzzard-64118455]  56.54 53.02 270 top
kibuzzard-64118455#3  G***  [kibuzzard-64118455]  18.54 31.02 270 top
kibuzzard-64118455#4  G***  [kibuzzard-64118455]  18.54 75.02 270 top
kibuzzard-64118455#5  G***  [kibuzzard-64118455]  56.54 9.02 270 top
kibuzzard-64118455#6  G***  [kibuzzard-64118455]  56.54 31.02 270 top
kibuzzard-64118455#7  G***  [kibuzzard-64118455]  18.54 53.02 270 top
kibuzzard-64118455#8  G***  [kibuzzard-64118455]  18.54 9.02 270 top
kibuzzard-64118594  G***  [kibuzzard-64118594]  54 53.4 270 top
kibuzzard-64118594#2  G***  [kibuzzard-64118594]  54 75.4 270 top
kibuzzard-64118594#3  G***  [kibuzzard-64118594]  16 9.4 270 top
kibuzzard-64118594#4  G***  [kibuzzard-64118594]  16 53.4 270 top
kibuzzard-64118594#5  G***  [kibuzzard-64118594]  16 31.4 270 top
kibuzzard-64118594#6  G***  [kibuzzard-64118594]  16 75.4 270 top
kibuzzard-64118594#7  G***  [kibuzzard-64118594]  54 31.4 270 top
kibuzzard-64118594#8  G***  [kibuzzard-64118594]  54 9.4 270 top
R1  2k2  [0402R]  15.5 69.7 180 top
R1#2  2k2  [0402R]  15.5 47.7 180 top
R1#3  2k2  [0402R]  53.5 47.7 180 top
R1#4  2k2  [0402R]  15.5 25.7 180 top
R1#5  2k2  [0402R]  53.5 25.7 180 top
R1#6  2k2  [0402R]  53.5 91.7 180 top
R1#7  2k2  [0402R]  15.5 91.7 180 top
R1#8  2k2  [0402R]  53.5 69.7 180 top
REF**  -  [Logo-Front-UKCA-3.5mm]  10.53 13.9 0 top
Ref**  Val**  [Version1.1.0]  5.85 29.1 0 top
REF**#2  -  [Logo-Front-CE-3.5mm]  48.45 32.43 0 top
Ref**#2  Val**  [Version1.1.0]  5.85 7.1 0 top
REF**#3  Logo-Front-SolderedFULL-13mm  [Logo-Back-SolderedFULL-13mm]  43.3 17 270 top
Ref**#3  Val**  [Version1.1.0]  43.85 73.1 0 top
REF**#4  Symbol-Front_I2C_ADDR_CUSTOM  [Symbol-Front_I2C_ADDR_CUSTOM-NewFont]  11.9 87.3 0 top
Ref**#4  Val**  [Version1.1.0]  43.85 51.1 0 top
REF**#5  Logo-Front-SolderedFULL-13mm  [Logo-Back-SolderedFULL-13mm]  43.3 61 270 top
Ref**#5  Val**  [Version1.1.0]  43.85 29.1 0 top
REF**#6  -  [Logo-Front-UKCA-3.5mm]  10.53 79.9 0 top
Ref**#6  Val**  [Version1.1.0]  5.85 51.1 0 top
REF**#7  Symbol-Front_I2C_ADDR_CUSTOM  [Symbol-Front_I2C_ADDR_CUSTOM-NewFont]  11.9 65.3 0 top
Ref**#7  Val**  [Version1.1.0]  5.85 73.1 0 top
REF**#8  -  [Logo-Front-CE-3.5mm]  48.45 10.42 0 top
Ref**#8  Val**  [Version1.1.0]  43.85 7.1 0 top
REF**#9  -  [Logo-Front-UKCA-3.5mm]  10.53 35.9 0 top
REF**#10  -  [NPTH]  4 96 0 top
REF**#11  -  [Logo-Front-UKCA-3.5mm]  10.53 57.9 0 top
REF**#12  -  [Logo-Front-CE-3.5mm]  10.45 54.43 0 top
REF**#13  Symbol-Front_I2C_ADDR_CUSTOM  [Symbol-Front_I2C_ADDR_CUSTOM-NewFont]  49.9 21.3 0 top
REF**#14  Symbol-Front_I2C_ADDR_CUSTOM  [Symbol-Front_I2C_ADDR_CUSTOM-NewFont]  49.9 65.3 0 top
REF**#15  -  [Fiducial]  8 4 0 top
REF**#16  Symbol-Front_I2C_ADDR_CUSTOM  [Symbol-Front_I2C_ADDR_CUSTOM-NewFont]  49.9 87.3 0 top
REF**#17  -  [Logo-Front-CE-3.5mm]  10.45 76.43 0 top
REF**#18  Logo-Front-SolderedFULL-13mm  [Logo-Back-SolderedFULL-13mm]  5.3 17 270 top
REF**#19  -  [NPTH]  4 4 0 top
REF**#20  -  [Logo-Front-CE-3.5mm]  48.45 54.43 0 top
REF**#21  Logo-Front-SolderedFULL-13mm  [Logo-Back-SolderedFULL-13mm]  5.3 61 270 top
REF**#22  -  [Logo-Front-UKCA-3.5mm]  48.53 79.9 0 top
REF**#23  Symbol-Front_I2C_ADDR_CUSTOM  [Symbol-Front_I2C_ADDR_CUSTOM-NewFont]  11.9 21.3 0 top
REF**#24  -  [Logo-Front-UKCA-3.5mm]  48.53 13.9 0 top
REF**#25  Symbol-Front_I2C_ADDR_CUSTOM  [Symbol-Front_I2C_ADDR_CUSTOM-NewFont]  49.9 43.3 0 top
REF**#26  -  [Logo-Front-CE-3.5mm]  48.45 76.43 0 top
REF**#27  -  [Fiducial]  68 4 0 top
REF**#28  -  [NPTH]  72 4 0 top
REF**#29  -  [NPTH]  72 96 0 top
REF**#30  -  [Logo-Front-UKCA-3.5mm]  48.53 35.9 0 top
REF**#31  Symbol-Front_I2C_ADDR_CUSTOM  [Symbol-Front_I2C_ADDR_CUSTOM-NewFont]  11.9 43.3 0 top